# Altium PCB HallFM2_0.PcbDoc (part 1 of 2) (continued)
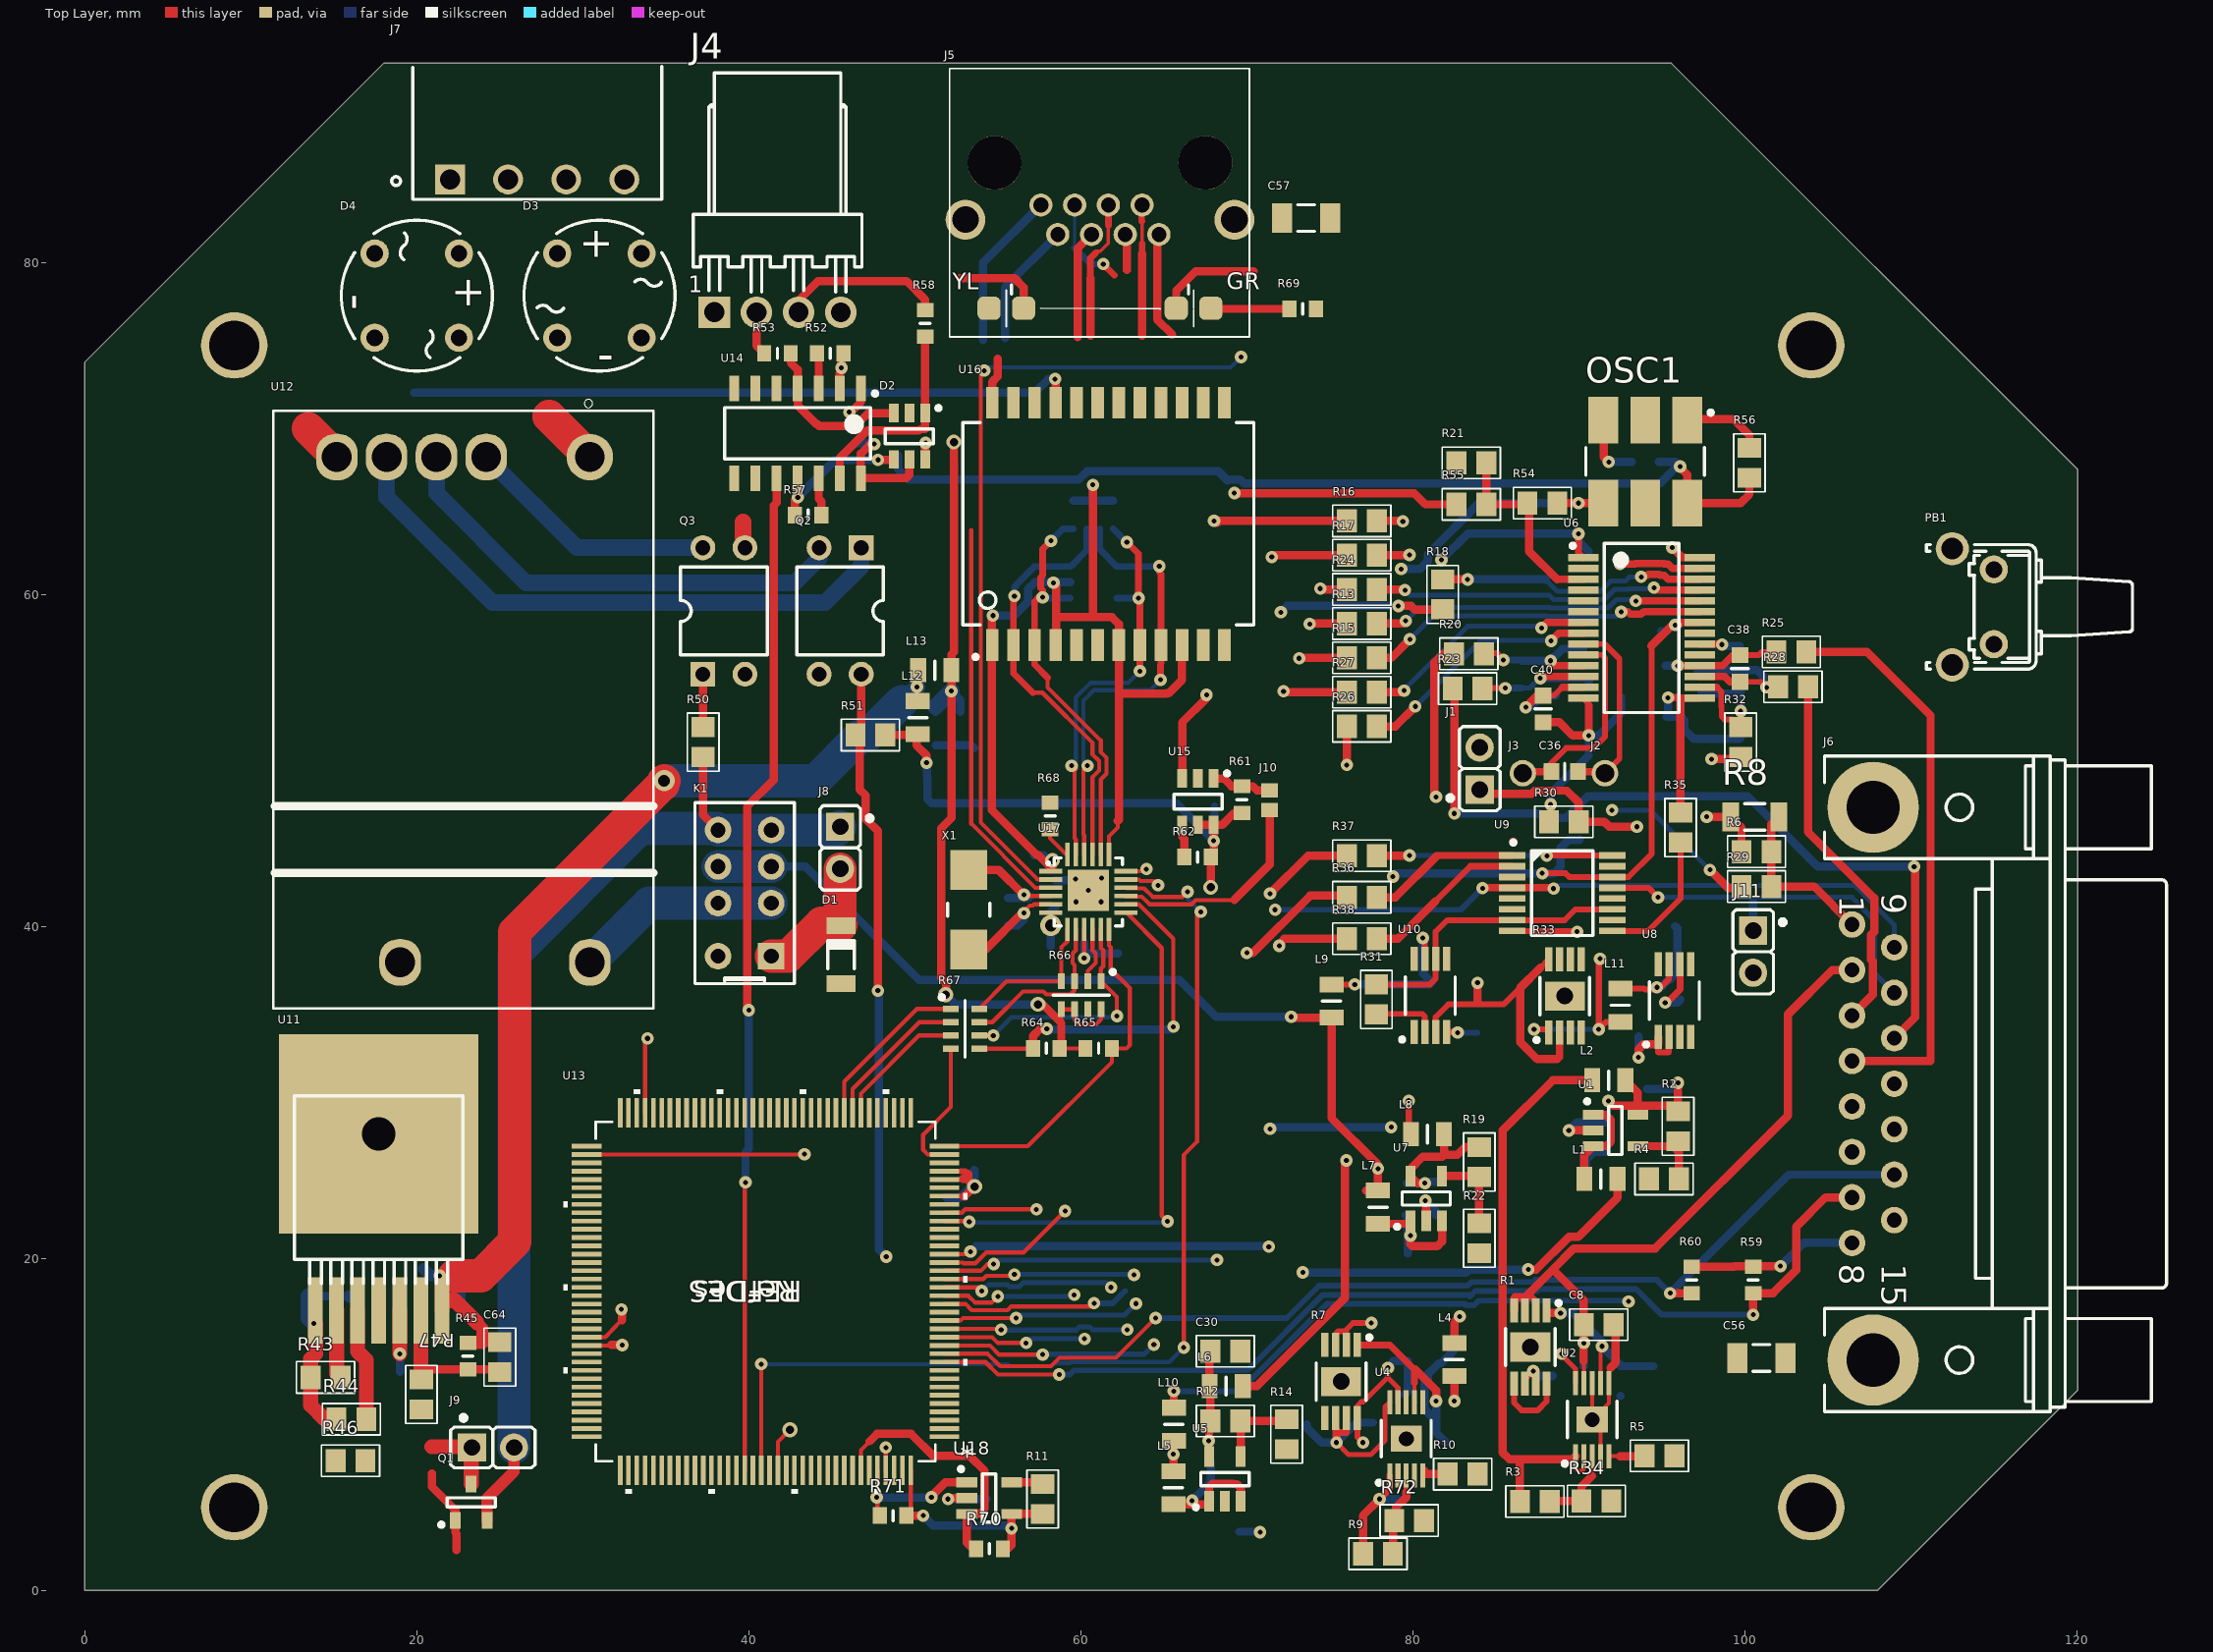
[diagram p0: Top Layer view]
## Components (designator, comment, footprint, x,y, rotation, side; value= is the part's Value field where it differs from the comment) (continued)
R34 "1k" SMD0805RES 92.057,5.382 r180 top
R35 "1k" SMD0805RES 96.132,44.953 r90 top
R36 "1k" SMD0805RES 75.923,41.748 r0 top
R37 "1k" SMD0805RES 75.923,44.248 r0 top
R38 "1k" SMD0805RES 75.923,39.248 r0 top
R43 "27k" SMD0805RES 13.498,12.823 r0 top
R44 "3k3" SMD0805RES 15.053,10.303 r0 top
R45 "4k7" RESC1608X64N 23.075,14.1 r270 top
R46 "1k5" SMD0805RES 17.007,7.807 r180 top
R47 "1k" SMD0805RES 20.273,12.802 r270 top
R50 "4k7" SMD0805RES 37.248,52.102 r270 top
R51 "20k" SMD0805RES 46.323,51.523 r0 top
R52 ".100" RESC1608X64N 44.9,74.525 r180 top
R53 ".100" RESC1608X64N 41.725,74.525 r180 top
R54 "0" SMD0805RES 88.802,65.502 r180 top
R55 "0" SMD0805RES 82.523,65.423 r0 top
R56 "1k" SMD0805RES 100.277,66.923 r90 top
R57 ".100" RESC1608X64N 43.575,64.775 r0 top
R58 ".100" RESC1608X64N 50.625,76.325 r90 top
R59 "1k5" RESC1608X64N 100.5,18.7 r270 top
R60 "1k5" RESC1608X64N 96.8,18.7 r270 top
R61 ".20k" RESC1608X64N 69.705,47.638 r90 top
R62 ".100k" RESC1608X64N 67.025,44.175 r180 top
R63 "49.9" CAY16x4 60.75,64.8 r90 bottom
R64 "10k" RESC1608X64N 57.925,32.65 r180 top
R65 "1k5" RESC1608X64N 61.075,32.65 r0 top
R66 "10k" CAY16x4 60.025,35.85 r270 top
R67 "33" CAY16x4 53.025,33.825 r0 top
R68 "12k1" RESC1608X64N 58.15,46.65 r270 top
R69 "10k" RESC1608X64N 73.375,77.2 r0 top
R70 "1k5" RESC1608X64N 54.5,2.5 r0 top
R71 "1k5" RESC1608X64N 48.7,4.5 r0 top
R72 "1k" SMD0805RES 80.782,4.207 r180 top
U1 "ADP7118-5.0-" SOT23-5 92.205,27.705 r0 top value=-5.0-
U2 "LT3042" SOP50P490X110-11N-R157X188 90.805,10.28 r90 top
U4 "LT3042" SOP50P490X110-11N-R157X188 79.605,9.13 r90 top
U5 "ADP7118-5.0-" SOT23-5 68.68,6.705 r90 top value=-5.0-
U6 "#NAME?" SOP65P780X200-28N 93.78,57.98 r0 top
U7 "ADP7118-3.3-" SOT23-5 80.805,23.605 r90 top value=-3.3-
U8 "LTC6655-2.5" SOP65P488X110-8N 95.755,35.53 r90 top value=-2.5
U9 "ADG1609" TSSOP-16 89,42 r0 top
U10 "ADA4522" SOP65P488X110-8N 81.055,35.83 r90 top
U11 "LMZ12003EXT" "NATIONAL_TO-PMOD-7 (TZA07A)" 17.705,22.209 r90 top
U12 "MYBSP0122BABFT+CB122BABFT" "MURATA_MYBSP0122BABFT_0 - DUPLICATE" 24,52 r270 top value=122BABFT
U13 "STM32F756ZGT6" LQFP-144_STM-M 41,18 r180 top
U14 "74HC14D" SOIC127P600X175-14N 42.94,69.7 r270 top
U15 "TPS38083V3" SOT95P270X145-6N 67.055,47.513 r270 top value=3V3
U16 "H5007NL" XFMR_PULSE_H5007NL 61.655,64.253 r90 top locked
U17 "LAN8742A-CZ" QFN24_0R5_4X4 60.45,42.175 r0 top
U18 "AT24C1616M5" SOT23-5 54.48,5.555 r0 top value=16M5
X1 "AA-25.000MHz" XTAL_AA 53.25,41 r270 top value=25.000MHz

## Footprints (in the part's own frame and the unit in brackets; to place one, negate y for a bottom-side part, rotate by r counter-clockwise, add the part's x,y. Pads: shape width x height; smd on the part's side, far side on the other; paste and mask are expansions set on the pad)
AMPHENOL_L717DFA15S1ATN [mm] "Right Angled D-Sub 15 Female Contacts with Metal Bracket and Front Female Screwlock (UNC4-40)"
  round 1.6 hole 0.9: 1(-9.59,-1.27) 2(-6.85,-1.27) 3(-4.11,-1.27) 4(-1.37,-1.27) 5(1.37,-1.27) 6(4.11,-1.27) 7(6.85,-1.27) 8(9.59,-1.27) 9(-8.22,1.27) 10(-5.48,1.27) 11(-2.74,1.27) 12(0,1.27) 13(2.74,1.27) 14(5.48,1.27) 15(8.22,1.27)
  round 5.5 hole 3.2: 16(-16.65,0) 17(16.65,0)
  silkscreen extent -19.75,-2.93 19.75,17.67, body extent -19.75,-2.93 19.75,17.67, height 13.45
CAPC1206 [mm]
  rect 1.2x1.8 smd: 1(-1.45,0) 2(1.45,0)
  silkscreen extent -0.5,-0.8 0.5,0.8, body extent -1.7,-0.9 1.7,0.9, height 0.7
CAPC1608X87N [mm]
  rect 0.95x1 smd: 1(-0.8,0) 2(0.8,0)
  silkscreen extent 0,-0.5 0,0.5, body extent -0.87,-0.47 0.88,0.48, height 0.87
CAY16x4 [mm] "Capacitor, Non-Polarized,Chip Array, 0.80mm Pitch; 8 Pin, 1.6mm W X 3.20mm L X 0.90mm H, IPC Medium Density"
  rect 0.95x0.4 smd: 1(-0.85,1.2) 2(-0.85,0.4) 3(-0.85,-0.4) 4(-0.85,-1.2) 5(0.85,-1.2) 6(0.85,-0.4) 7(0.85,0.4) 8(0.85,1.2)
  silkscreen extent -1.52,-1.7 0,2.02, body extent -0.87,-1.67 0.88,1.68, height 0.9
DIOMELF3515N [mm] "SOD80C, MELF Diode, 2-Leads, Body 3.5x1.5mm, IPC Medium Density"
  rect 1x1.75 smd: 1(-1.75,0) 2(1.75,0)
  silkscreen extent -0.85,-0.8 0.85,0.8, body extent -1.85,-0.8 1.85,0.8, height 1.6
DIP4-300 [mm] "DIP 4 Leads, Row Spacing 7.62 mm; Pitch 2.54 mm"
  rect 1.5x1.5 hole 0.9: 1(-3.81,1.27)
  round 1.5 hole 0.9: 2(-3.81,-1.27) 3(3.81,-1.27) 4(3.81,1.27)
  silkscreen extent -2.65,-2.61 2.65,2.61, body extent -3.93,-2.54 3.94,2.54, height 5.33
LQFP-144_STM-M [mil]
  rect 70x11 smd paste+0 mask+0: 1(-424,344.49) 2(-424,324.8) 3(-424,305.12) 4(-424,285.43) 5(-424,265.75) 6(-424,246.06) 7(-424,226.38) 8(-424,206.69) 9(-424,187.01) 10(-424,167.32) 11(-424,147.64) 12(-424,127.95) 13(-424,108.27) 14(-424,88.58) 15(-424,68.9) 16(-424,49.21) 17(-424,29.53) 18(-424,9.84) 19(-424,-9.84) 20(-424,-29.53) 21(-424,-49.21) 22(-424,-68.9) 23(-424,-88.58) 24(-424,-108.27) 25(-424,-127.95) 26(-424,-147.64) 27(-424,-167.32) 28(-424,-187.01) 29(-424,-206.69) 30(-424,-226.38) 31(-424,-246.06) 32(-424,-265.75) 33(-424,-285.43) 34(-424,-305.12) 35(-424,-324.8) 36(-424,-344.49) 73(424,-344.49) 74(424,-324.8) 75(424,-305.12) 76(424,-285.43) 77(424,-265.75) 78(424,-246.06) 79(424,-226.38) 80(424,-206.69) 81(424,-187.01) 82(424,-167.32) 83(424,-147.64) 84(424,-127.95) 85(424,-108.27) 86(424,-88.58) 87(424,-68.9) 88(424,-49.21) 89(424,-29.53) 90(424,-9.84) 91(424,9.84) 92(424,29.53) 93(424,49.21) 94(424,68.9) 95(424,88.58) 96(424,108.27) 97(424,127.95) 98(424,147.64) 99(424,167.32) 100(424,187.01) 101(424,206.69) 102(424,226.38) 103(424,246.06) 104(424,265.75) 105(424,285.43) 106(424,305.12) 107(424,324.8) 108(424,344.49)
  rect 11x70 smd paste+0 mask+0: 37(-344.49,-424) 38(-324.8,-424) 39(-305.12,-424) 40(-285.43,-424) 41(-265.75,-424) 42(-246.06,-424) 43(-226.38,-424) 44(-206.69,-424) 45(-187.01,-424) 46(-167.32,-424) 47(-147.64,-424) 48(-127.95,-424) 49(-108.27,-424) 50(-88.58,-424) 51(-68.9,-424) 52(-49.21,-424) 53(-29.53,-424) 54(-9.84,-424) 55(9.84,-424) 56(29.53,-424) 57(49.21,-424) 58(68.9,-424) 59(88.58,-424) 60(108.27,-424) 61(127.95,-424) 62(147.64,-424) 63(167.32,-424) 64(187.01,-424) 65(206.69,-424) 66(226.38,-424) 67(246.06,-424) 68(265.75,-424) 69(285.43,-424) 70(305.12,-424) 71(324.8,-424) 72(344.49,-424) 109(344.49,424) 110(324.8,424) 111(305.12,424) 112(285.43,424) 113(265.75,424) 114(246.06,424) 115(226.38,424) 116(206.69,424) 117(187.01,424) 118(167.32,424) 119(147.64,424) 120(127.95,424) 121(108.27,424) 122(88.58,424) 123(68.9,424) 124(49.21,424) 125(29.53,424) 126(9.84,424) 127(-9.84,424) 128(-29.53,424) 129(-49.21,424) 130(-68.9,424) 131(-88.58,424) 132(-108.27,424) 133(-127.95,424) 134(-147.64,424) 135(-167.32,424) 136(-187.01,424) 137(-206.69,424) 138(-226.38,424) 139(-246.06,424) 140(-265.75,424) 141(-285.43,424) 142(-305.12,424) 143(-324.8,424) 144(-344.49,424)
  silkscreen extent -479,-479 479,479, body extent -437,-437 437,437, height 63
Molex-43860-0010 [mm] "1 Port, 8 Positions, CAT5 RJ45 Modular Connector With Yellow And Green LEDs"
  round 3.25 hole 3.25 unplated: 0(-2.54,9.906) 0(-2.54,-2.794)
  round 1.4 hole 0.9: 1(0,0) 2(1.778,1.016) 3(0,2.032) 4(1.778,3.048) 5(0,4.064) 6(1.778,5.08) 7(0,6.096) 8(1.778,7.112)
  rrect50% 1.4x1.4 smd: 9(6.223,-3.124) 10(6.223,-1.041) 11(6.223,10.236) 12(6.223,8.153)
  round 2.4 hole 1.6: 13(0.889,-4.547) 14(0.889,11.659)
  silkscreen extent -8.22,-5.5 7.94,12.56, body extent -8.22,-5.5 7.94,12.56, height 2.75
MOLEX_WF4-angle [mm] "2.54mm (.100\") Pitch KK® Wire-To-Board Header, Right Angle, With Friction Lock, 2 Circuits"
  rect 1.9x1.9 hole 1.2: 1(0,0)
  round 1.9 hole 1.2: 2(2.54,-0.005) 3(5.08,0) 4(7.62,-0.005)
  silkscreen extent -1.27,1.21 8.89,14.42, body extent -1.27,-0.32 8.89,14.42, height 5.84
"MURATA_MYBSP0122BABFT_0 - DUPLICATE" [mm]
  round 2.8 / inner rrect91% 2.8x2.2 / far side rrect91% 2.8x2.2 hole 1.8: 1(-16.27,6.42)
  rrect91% 2.8x2.5 hole 1.8: 2(-16.27,0.18) 3(-16.27,-2.82) 4(-16.27,-5.82) 5(-16.27,-8.82) 6(14.17,-5.01) 7(14.17,6.42)
  silkscreen extent -19.75,-12.65 16.95,10.25, body extent -18.77,-12.34 16.73,10.06, height 11.15
"NATIONAL_TO-PMOD-7 (TZA07A)" [mm] "TO-PMOD 7 Pin Package, NATIONAL Package TZA07A, 1.70mm pitch; 9.85mm L X 10.16mm W X 4.67mm H body"
  rect 4x0.89 smd: 1(-5.339,3.81) 2(-5.339,2.54) 3(-5.339,1.27) 4(-5.339,0) 5(-5.339,-1.27) 6(-5.339,-2.54) 7(-5.339,-3.81)
  rect 12x12 hole 2 unplated: 8(5.291,0)
  silkscreen extent -3.73,-5.08 7.57,5.08, body extent -6.2,-5.08 7.57,5.08, height 4.77
OSC_PERICOM_FRETHE025 [mm] "SMD Oscillator, side convave, 6 pins, 5.00x7.00mm"
  rect 2.8x1.8 smd: 1(-2.5,2.54) 2(-2.5,0) 3(-2.5,-2.54) 4(2.5,-2.54) 5(2.5,0) 6(2.5,2.54)
  silkscreen extent -3.07,-3.58 0.83,4.07, body extent -2.57,-3.57 2.58,3.58, height 1.55
PB_ALPS_SKHHLQA010 [mm] "Body 6x6mm, Stem height 8.35mm, Horizontal Pushbutton Switch, ALPS Serie SKHH"
  round 1.7 hole 1: 1(-1.25,-2.25) 2(-1.25,2.25)
  round 2 hole 1.3: 3(1.25,-3.5) 4(1.25,3.5)
  silkscreen extent -9.6,-3.75 2.8,3.75, body extent -9.6,-4.25 2.8,4.25, height 7.4
PCBJumper [mm]
  rect 0.85x1 smd: 1(-0.6,0) 2(0.6,0)
PLS1 [mm]
  round 1.6 hole 1.1: 1(0,0)
PLS2 [mm] "2 Contacts Straight Strip Header Pitch 2.54mm L=6.7mm ''Mini-Wire-Wrap''"
  rect 1.7x1.7 hole 1: 1(0,0)
  round 1.7 hole 1: 2(2.54,0)
  silkscreen extent -1.27,-1.23 3.81,1.93, body extent -1.22,-1.25 3.86,1.25, height 9.5
QFN24_0R5_4X4 [mm] "SQFN 24 Pins, Pitch 0.5mm, 4mmx4mm"
  rect 1.4x0.28 smd: 1(-2.255,1.15) 2(-2.255,0.65) 3(-2.255,0.15) 4(-2.255,-0.35) 5(-2.255,-0.85) 6(-2.255,-1.35) 13(2.255,-1.35) 14(2.255,-0.85) 15(2.255,-0.35) 16(2.255,0.15) 17(2.255,0.65) 18(2.255,1.15)
  rect 0.28x1.4 smd: 7(-1.25,-2.355) 8(-0.75,-2.355) 9(-0.25,-2.355) 10(0.25,-2.355) 11(0.75,-2.355) 12(1.25,-2.355) 19(1.25,2.155) 20(0.75,2.155) 21(0.25,2.155) 22(-0.25,2.155) 23(-0.75,2.155) 24(-1.25,2.155)
  rect 2.5x2.5 smd: 25(0,0)
  silkscreen extent -2.46,-2.15 2.05,1.95, body extent -2.05,-2.15 2.05,1.95, height 1
RECTRON_RB15 [mm] "Bridge Rectifier, Body 9.1mm diam. x 3.8mm H, RECTRON Case Type RB15"
  round 1.7 hole 1: 1(-2.54,2.54) 2(-2.54,-2.54) 3(2.54,-2.54) 4(2.54,2.54)
  silkscreen extent -4.55,-4.55 4.55,4.55, body extent -4.55,-4.55 4.55,4.55, height 11.7
REL_OMRON_G6J-2P-Y [mm] "THT Relay, Body 10.9mm x 6mm, OMRON_G6J-2P"
  rect 1.6x1.6 hole 0.9: 1(-3.8,-1.6)
  round 1.6 hole 0.9: 2(-0.6,-1.6) 3(1.6,-1.6) 4(3.8,-1.6) 5(3.8,1.6) 6(1.6,1.6) 7(-0.6,1.6) 8(-3.8,1.6)
  silkscreen extent -5.45,-3 5.45,3, body extent -5.45,-3 5.45,3, height 9.3
RESC1608X64N [mm]
  rect 0.85x1 smd: 1(-0.8,0) 2(0.8,0)
  silkscreen extent 0,-0.3 0,0.3, body extent -0.87,-0.47 0.88,0.48, height 0.64
RESC2012X50N [mm]
  rect 0.95x1.45 smd: 1(-1,0) 2(1,0)
  silkscreen extent 0,-0.55 0,0.55, body extent -1.1,-0.67 1.1,0.68, height 0.5
RESC3016X65N [mm] "Chip Resistor, EIA 1206, Metric 3016, Body 3.05x1.55mm, IPC Medium Density"
  rect 1x1.75 smd: 1(-1.45,0) 2(1.45,0)
  silkscreen extent -0.6,-0.8 0.6,0.8, body extent -1.6,-0.85 1.6,0.85, height 0.65
SMD0805CAP [mm]
  rect 1.2x1.4 smd: 1(0.102,0.002) 2(1.902,0.002)
  silkscreen extent -0.75,-0.95 2.75,0.95, body extent -0.02,-0.67 2.08,0.68, height 0.9
SMD0805RES [mm]
  rect 1.2x1.4 smd: 1(0.102,0.002) 2(1.902,0.002)
  silkscreen extent -0.75,-0.95 2.75,0.95, body extent 0,-0.63 2,0.63, height 0.51
SOIC127P600X175-14N [mm] "SOIC 14, Pitch 1.27mm - Body 4x8.75mm, IPC Medium Density"
  rect 1.55x0.6 smd: 1(-2.7,3.81) 2(-2.7,2.54) 3(-2.7,1.27) 4(-2.7,0) 5(-2.7,-1.27) 6(-2.7,-2.54) 7(-2.7,-3.81) 8(2.7,-3.81) 9(2.7,-2.54) 10(2.7,-1.27) 11(2.7,0) 12(2.7,1.27) 13(2.7,2.54) 14(2.7,3.81)
  silkscreen extent -2.52,-4.4 1.55,4.79, body extent -3.1,-4.37 3.1,4.38, height 1.75
SOP50P490X110-11N-R157X188 [mm] "SOP, 0.50mm, pitch; 10 pin, 3.00mm W X 3.00mm L X 1.10mm H body (w/thermal tab  1.57 X 1.88 mm), IPC Medium Density"
  rect 1.45x0.3 smd: 1(-2.2,1) 2(-2.2,0.5) 3(-2.2,0) 4(-2.2,-0.5) 5(-2.2,-1) 6(2.2,-1) 7(2.2,-0.5) 8(2.2,0) 9(2.2,0.5) 10(2.2,1)
  rect 1.57x1.88 hole 0.9 unplated: 11(0,0)
  silkscreen extent -2.77,-1.5 1.1,1.77, body extent -2.45,-1.55 2.45,1.55, height 1.1
SOP65P488X110-8N [mm] "SOP, 8-Leads, Body 3x3mm (max), Pitch 0.65mm, IPC Medium Density"
  rect 1.45x0.45 smd: 1(-2.2,0.975) 2(-2.2,0.325) 3(-2.2,-0.325) 4(-2.2,-0.975) 5(2.2,-0.975) 6(2.2,-0.325) 7(2.2,0.325) 8(2.2,0.975)
  silkscreen extent -2.77,-1.5 1.12,1.82, body extent -2.45,-1.55 2.45,1.55, height 1.1
SOP65P488X110-9N-R178X241 [mm] "SOP, 8-Leads, Body 3x3mm (max), Pitch 0.65mm, (w/thermal tab 2 .41 X 1.78 mm), IPC Medium Density"
  rect 1.45x0.45 smd: 1(-2.2,0.975) 2(-2.2,0.325) 3(-2.2,-0.325) 4(-2.2,-0.975) 5(2.2,-0.975) 6(2.2,-0.325) 7(2.2,0.325) 8(2.2,0.975)
  rect 1.75x2.4 hole 1 unplated: 9(0,0)
  silkscreen extent -2.77,-1.5 1.12,1.83, body extent -2.45,-1.55 2.45,1.55, height 1.1
SOP65P780X200-28N [mm] "SOP, 0.65mm Pitch; 28 Pin, 5.30mm W X 10.20mm L X 2.00mm H Body, IPC Medium Density"
  rect 1.85x0.45 smd: 1(-3.5,4.225) 2(-3.5,3.575) 3(-3.5,2.925) 4(-3.5,2.275) 5(-3.5,1.625) 6(-3.5,0.975) 7(-3.5,0.325) 8(-3.5,-0.325) 9(-3.5,-0.975) 10(-3.5,-1.625) 11(-3.5,-2.275) 12(-3.5,-2.925) 13(-3.5,-3.575) 14(-3.5,-4.225) 15(3.5,-4.225) 16(3.5,-3.575) 17(3.5,-2.925) 18(3.5,-2.275) 19(3.5,-1.625) 20(3.5,-0.975) 21(3.5,-0.325) 22(3.5,0.325) 23(3.5,0.975) 24(3.5,1.625) 25(3.5,2.275) 26(3.5,2.925) 27(3.5,3.575) 28(3.5,4.225)
  silkscreen extent -4.27,-5.1 2.25,5.1, body extent -4.11,-5.25 4.11,5.25, height 2
SOT23-5 [mm] "SOT, 0.95mm Pitch; 5 Pin,1.55mm W X 2.90mm L X 1.45mm H body, IPC Medium Density"
  rect 1.25x0.6 smd: 1(-1.35,0.95) 2(-1.35,0) 3(-1.35,-0.95) 4(1.35,-0.95) 5(1.35,0.95)
  silkscreen extent -1.82,-1.45 0.4,1.87, body extent -1.35,-1.45 1.35,1.45, height 1.45
SOT95P229X119-3N [mm] "SOT23 3-Leads, 0.95mm pitch; 3 pin, 1.296mm W X 2.858mm L X 1.194mm H body, IPC Medium Density"
  rect 1x0.65 smd: 1(-1.1,0.95) 2(-1.1,-0.95) 3(1.1,0)
  silkscreen extent -1.47,-1.45 0.28,1.92, body extent -1.25,-1.5 1.25,1.5, height 1.19
SOT95P270X145-6N [mm] "SOT, 0.95mm Pitch; 6 Pin,1.55mm W X 2.90mm L X 1.45mm H body, IPC Medium Density"
  rect 1.1x0.6 smd: 1(-1.4,0.95) 2(-1.4,0) 3(-1.4,-0.95) 4(1.4,-0.95) 5(1.4,0) 6(1.4,0.95)
  silkscreen extent -1.82,-1.45 0.45,1.88, body extent -1.35,-1.45 1.35,1.45, height 1.45
TE_284512-4 [mm]
  rect 1.8x1.8 / inner round 1.8 / far side rect 1.8x1.8 hole 1.2: 1(-5.25,0)
  round 1.8 hole 1.2: 2(-1.75,0) 3(1.75,0) 4(5.25,0)
  silkscreen extent -8.76,-1.2 7.5,6.8, body extent -8,-1.2 8,8, height 7.25
TSSOP-16 [mm]
  rect 1.6x0.4 smd: 1(-3.025,2.275) 2(-3.025,1.625) 3(-3.025,0.975) 4(-3.025,0.325) 5(-3.025,-0.325) 6(-3.025,-0.975) 7(-3.025,-1.625) 8(-3.025,-2.275) 9(3.025,-2.275) 10(3.025,-1.625) 11(3.025,-0.975) 12(3.025,-0.325) 13(3.025,0.325) 14(3.025,0.975) 15(3.025,1.625) 16(3.025,2.275)
  Top Layer circle w0.25: c-2.95,3.1 r0.125
  silkscreen extent -3.07,-2.55 1.85,3.17, body extent -3.12,-2.55 3.12,2.55, height 1.2
XFMR_PULSE_H5007NL [mm] "10/100BASE-T Magnetics Modules, Body 12.2 x 17.53mm"
  rect 1.905x0.76 smd: 1(-7.302,6.985) 2(-7.302,5.715) 3(-7.302,4.445) 4(-7.302,3.175) 5(-7.302,1.905) 6(-7.302,0.635) 7(-7.302,-0.635) 8(-7.302,-1.905) 9(-7.302,-3.175) 10(-7.302,-4.445) 11(-7.302,-5.715) 12(-7.302,-6.985) 13(7.302,-6.985) 14(7.302,-5.715) 15(7.302,-4.445) 16(7.302,-3.175) 17(7.302,-1.905) 18(7.302,-0.635) 19(7.302,0.635) 20(7.302,1.905) 21(7.302,3.175) 22(7.302,4.445) 23(7.302,5.715) 24(7.302,6.985)
  silkscreen extent -8.15,-8.76 6.1,8.76, body extent -8,-8.76 8,8.77, height 5.72
XTAL_AA [mm] "Resonator 5x3.mm 2pin"
  rect 2.4x2.2 smd: 1(-2.4,0) 2(2.4,0)
  silkscreen extent -0.4,-1.27 0.4,1.27, body extent -2.5,-1.6 2.5,1.6, height 1.3

## Part data
C1 C2 C3 C4 C5 C6 C7 C8 C9 C10 C11 C12 C13 C14 C15 C20 C21 C22 C23 C27 C28 C29 C30 C32 C33 C34 C35 C39 C41 C42 C43 C44 C46 C54 C62 C64 C65 C79 C86: library part C0805, "Чип конденсатор 0805", DielectricType=X5R, Tolerance=20%, Voltage=25V, Device=Cap0805, Pkg=SMD0805, Price=2, SMD Solders=2, Solder Option=RM, Vendor=Vishay
  C54: Name to order=ECHU1C332JX5
C24: library part C0805, "Чип конденсатор 0603", DielectricType=X5R, Tolerance=20%, Voltage=50V, Device=Cap603, Pkg=SMD0603, Price=2, SMD Solders=2, Solder Option=RM, Vendor=Vishay
C25 C26 C31 C36 C37 C38 C40 C47 C48 C49 C50 C51 C52 C55 C58 C59 C60 C61 C66 C67 C68 C69 C71 C72 C73 C74 C76 C77 C78 C80 C82 C83 C84 C85 C89 C90 C91 C92 C93 C94 C95 C96 C97 C98 C99 C100 C101 C102 C103 C104 C105: library part C0603, "Чип конденсатор 0603", DielectricType=X5R, Tolerance=20%, Voltage=50V, Device=Cap603, Pkg=SMD0603, Price=2, SMD Solders=2, Solder Option=RM, Vendor=Vishay
C45: library part C1206, "Чип конденсатор 1206", DielectricType=X5R, Tolerance=1%, Voltage=16V, Device=Cap1206, Name to order=ECHU1C333JX5, Pkg=SMD1206, Price=2, SMD Solders=2, Solder Option=RM, Vendor=Vishay
C56 C57: library part C1206, "Чип конденсатор 1206", DielectricType=X5R, Tolerance=1%, Voltage=1000V, Device=Cap1206, Pkg=SMD1206, Price=2, SMD Solders=2, Solder Option=RM, Vendor=Vishay
C81 C87 C88: library part C0603, "Чип конденсатор 0603", DielectricType=NPO, Tolerance=20%, Voltage=50V, Device=Cap603, Pkg=SMD0603, Price=2, SMD Solders=2, Solder Option=RM, Vendor=Vishay
D1: "Fast diode", Current=150, Voltage=100, Device=DL4448, Name to order=SF18, Pkg="MiniMelf (DL35)", Price=10, SMD Solders=2, Solder Option=RM, Vendor="Shenzhen Luguang Electronic Technology"
D2 D5: library part IP4220, "Optotransistor", Current=0, Voltage=6V, Device=IP4220CZ6, Name to order=IP4220CZ6, Pkg=SOT23-6, Price=10, SMD Solders=6, Solder Option=RM, THD Solders=0, Vendor=NXP
D3 D4: "Diode Bridge Rectifier", Voltage=200V, Device=W02G, Name to order=W02G, Pkg=W02G, Price=20, SMD Solders=0, Solder Option=RM, THD Solders=4, Vendor=multicomp
J2 J3: library part PLS1, "Штырь PLS1", Device=PLS1, Price=1, SMD Solders=0, Solder Option=RM, THD Solders=1, Vendor=Confly
J4: library part WF4R, "Вилка  WF4", Device=WF-4R, Name to order=WF-4R, Price=20, SMD Solders=0, Solder Option=RM, THD Solders=4, Vendor=Confly
J5: "1 Port, 8 Positions, CAT5 RJ45 Modular Connector With Yellow And Green fibers for LEDs", Device=Molex_438600010, Name to order=438600010, Pkg=Molex_438600010, Price=320, SMD Solders=4, Solder Option=RM, THD Solders=10, Vendor=Molex
J6: library part D_SUB_15F, "Вилка  DSUB 9 угловая", Device=DBR-15F, Name to order="DRB- 15MA (DBR-15F) (DS1037-15F)", Price=50, SMD Solders=0, Solder Option=RM, THD Solders=17, Vendor=Connfly
J7: "Вилка  WF4", Device=15EDGRC-3.5-04P-14, Name to order=15EDGRC-3.5-04P-14, Price=50, SMD Solders=0, Solder Option=RM, THD Solders=4, Vendor=Degson
J8: library part PLS2, "PLS2", Device=PLS2, Price=1, SMD Solders=0, Solder Option=RM, THD Solders=2, Vendor=Confly
J10: "PLS2", Device=JmpPCB, Price=1, SMD Solders=1, Solder Option=i, THD Solders=0, Vendor=-
K1: library part "G6J-2P-Y 12VDC", "Электромагнитное реле", Current=9mA, Voltage=110V, Device=G6J-2P-Y, Name to order="G6J-2P-Y 12VDC", Pkg=11x6mm, Price=200, SMD Solders=0, Solder Option=RM, THD Solders=8, Vendor=Omron
L1 L2 L4 L5 L6 L7 L8 L9 L10 L11 L12 L13 L14: library part BLM21, "SMD Ferrite bead 0805", Device=BLM21, Pkg=SMD0805, Price=10, SMD Solders=2, Solder Option=RM, Vendor=Vishay
OSC1: library part XLH730, "Генератор кварцевый", Current=0, Device=XLH730, Name to order=XLH730004.915200I, Pkg=7x5mm, Price=400, SMD Solders=2, Solder Option=RM, THD Solders=0, Vendor=Renesas
PB1: library part PBAngle, "Push Button Angle NO", Device=PushButt, Name to order=2-1825027-0, Pkg=7x7mm, Price=1, SMD Solders=0, Solder Option=RM, THD Solders=4, Vendor="TE Conn"
Q1: "PMOS", Voltage=-30V, Device=AO3407A, Name to order=AO3407A, Pkg=SOT23, Price=10, SMD Solders=3, Solder Option=RM, THD Solders=0, Vendor=UMW
Q2 Q3: "Optotransistor", Current=0, Voltage=35V, Device=817B, Name to order=817B, Pkg=DIP4, Price=10, SMD Solders=0, Solder Option=RM, THD Solders=4, Vendor=UMW
R1 R7: library part LT5400, "4 прецизионных резистора", Tolerance=0..025%, Device=LT5400, Name to order=LT5400BMPMS8E-6#PBF, Pkg="MSOP 9-0.65", Price=2, Pwr=40C/W, SMD Solders=0, Solder Option=i, TC=200ppb/C, THD Solders=0, Vendor="Analog Devices"
R2 R3 R4 R5 R9 R10 R11 R12 R13 R14 R15 R16 R17 R18 R19 R20 R21 R22 R23 R24 R25 R26 R27 R28 R29 R30 R31 R32 R34 R35 R36 R37 R38 R43 R44 R46 R47 R50 R51 R54 R55 R56 R72: library part R0805, "Чип резистор 0805", Tolerance=1%, Device=Res0805, Pkg=SMD0805, Price=2, Pwr=125mW, SMD Solders=2, TC=100ppm/C, Vendor=Vishay
  R2 R3 R4 R5 R9 R10 R11 R12 R13 R15 R16 R17 R18 R19 R20 R23 R24 R25 R26 R27 R28 R29 R30 R31 R32 R34 R35 R36 R37 R38 R43 R44 R46 R47 R50 R51 R54 R72: Solder Option=RM
  R14 R21 R22 R55 R56: Solder Option=DNP
R6: library part Y1172, "Прецизионный чип резистор 0805", Tolerance=1%, Device=Y1172, Name to order=Y1172200R0000xxx, Pkg=SMD0805, Price=2, Pwr=125mW, SMD Solders=2, Solder Option=RM, TC=2ppm/C, Vendor=Vishay
R8: library part Y1496, "Прецизионный чип резистор 1206", Tolerance=1%, Device=Y1496, Name to order=Y1172200R0000xxx, Pkg=SMD1206, Price=2, Pwr=125mW, SMD Solders=2, Solder Option=DNP, TC=2ppm/C, Vendor=Vishay
R33: library part LT5400_7, "4 прецизионных резистора", Tolerance=0..025%, Device=LT5400, Name to order=LT5400BMPMS8E-7#PBF, Pkg="MSOP 9-0.65", Price=2, Pwr=40C/W, SMD Solders=0, Solder Option=i, TC=200ppb/C, THD Solders=0, Vendor="Analog Devices"
R45 R52 R53 R57 R58 R59 R60 R61 R62 R64 R65 R68 R69 R70 R71: library part R0603, "Чип резистор 0603", Tolerance=1%, Device=Res603, Pkg=SMD0603, Price=2, Pwr=60mW, SMD Solders=2, Solder Option=RM, TC=100ppm/C, Vendor=Vishay
R63 R66 R67: library part CAY16, "Сборка из 4х чип резисторов", Tolerance=5%, Device=CAY16, Pkg=so8-80, Price=2, Pwr=60mW, SMD Solders=8, Solder Option=RM, TC=200ppm/C, THD Solders=0, Vendor=Bourns
  R63: Name to order="CAY16-510j4  or CAY16-510F4"
  R66: Name to order=CAY16-10k0j4
  R67: Name to order=CAY16-330j4
U1 U5 U7: library part ADP7118, "Positive LDO Linear stabilizer", Device=ADP7118, Pkg=SOT23-5, Price=100, SMD Solders=5, Solder Option=RM, Vendor="Analog Devoces"
  U1 U5: Name to order=ADP7118AUJZ-5.0-R7
  U7: Name to order=ADP7118AUJZ-3.3-R7
U2 U4: "Current source v 100uA ref", Current=200ma, Tolerance=1%, Voltage="max 20V", Device=LT3042, Name to order=LT3042EMSE, Pkg="MSOP10 PowPad", Price=1200, SMD Solders=11, Solder Option=DiY, TC=10ppm/C, THD Solders=0, Vendor="Analog Devices Inc"
U6: library part ADS1234, "АЦП", Current=3, Voltage="2V7 to 5V3", Device=ADS1234, Name to order=ADS1234IPWR, Pkg=SOIC8_EP, Price=1500, SMD Solders=28, Solder Option=RM, TC=10-300nV/C, THD Solders=0, Vendor="Texas  Instruments"
U8: library part LTC6655B-5, "Low noise precision reference,", Voltage=max13.2V, Device=LTC6655, Name to order=LTC6655LNBHMS8-2.5, Pkg=MSOP65-8, Price=6000, SMD Solders=8, Solder Option=RM, TC=2ppm/C, Vendor="Analog Devices Inc"
U9: "Мультиплексор аналоговый дифференциальный 4 канала", Current=0, Device=ADG1609, Name to order=ADG1608BRUZ, Pkg=TSSOP65-16, Price=700, SMD Solders=16, Solder Option=RM, THD Solders=0, Vendor="Analog Devoces"
U10: "Op amp", Current=1, Voltage="+-5 to +-27.5V", Device=ADA4522, Pkg=MASOP8-65, Price=600, SMD Solders=8, Solder Option=RM, TC=1uV/C, Vendor="Analog Devices Inc"
U11: library part LMZ12003, "DC-DC Power Module", thVoltage=-, Device=LMZ12003, Name to order=LMZ12003EXT, Pkg="NDW 7", PkgCode=EXT, Price=11000, SMD Solders=8, Solder Option=EXT, THD Solders=0, Vendor="Texas Instruments"
U12: library part MYBSP0122BABFT, "POE isolated DC-DC 24W", Voltage=+12V, Device=MYBSP0122BABFT+CB, Name to order=MYBSP0, Pkg=35x23mm, Price=1000, SMD Solders=7, Solder Option=RM, THD Solders=0, Vendor=Murata
U13: "High-performance and DSP with FPU, Arm Cortex-M7 MCU with 1 Mbyte of Flash memory, 216 MHz CPU, Art Accelerator, L1 cache, HW crypto, SDRAM, TFT", Manufacturer_Name=STMicroelectronics, Copyright="Copyright (C) 2025 Ultra Librarian. All rights reserved.", Datasheet=https://www.st.com/resource/en/datasheet/stm32f756bg.pdf, Manufacturer_Part_Number=STM32F756ZGT6, Pkg=LQFP144, Price=4000, RefDes=RefDes, SMD Solders=144, THD Solders=0, Type=Type
U14: "6 триггеров Шмита с инверсией.", Voltage="2.. 6V", Device=74HC14D, Name to order=74HC14D, Pkg=SOIC14, Price=50, SMD Solders=14, Solder Option=RM, Vendor=NXP
U15: library part TPS3808, "Supervisory Circuit. Low-Quiescent-Current, Programmable-Delay", Current=6uA, thVoltage=3070mV, Device=TPS3808, Name to order=TPS3808G33DBV, Pkg=SOT23-6, Price=200, SMD Solders=6, Solder Option=RM, THD Solders=0, Vendor="Texas Instruments"
U16: "Ethernet transformer IEEE 802.3", Current=0, Device=H5007NL, Name to order=H5007NL, Pkg=SO24-1.27, Price=400, SMD Solders=24, Solder Option=RM, THD Solders=0, Vendor=Yageo
U17: library part LAN8742, "Supervisory Circuit. Low-Quiescent-Current, Programmable-Delay", Current=6uA, Device=LAN8742A-CZ, Name to order=LAN8742A-CZ, Pkg=VQFN25-0.50, Price=700, SMD Solders=25, Solder Option=i, THD Solders=0, Vendor=MicroChip
U18: library part AT24C, "Isolateted DC DC 5V->5V or 3V3 60mA", Current=2uA/2mA, Device=AT24C16, Name to order=AT24C16M5/TR, Pkg=SOT23-5, Price=20, SMD Solders=5, Solder Option=RM, THD Solders=0, Vendor=HGSemi
X1: library part AA-25, "Резонатор кварцевый", Current=0, Device=AA-, Name to order=AA-25.000MALE-T, Pkg=5x3,2, Price=300, SMD Solders=2, Solder Option=RM, THD Solders=0, Vendor=TXS
J1 J9 J11: Device=PLS2, Price=1, SMD Solders=0, Solder Option=RM, THD Solders=2, Vendor=Confly

## Free pads (board coordinates)
  round 4 hole 3: 0(9,5) 0(9,75) 0(104,5) 0(104,75)

## Via types
v1: diameter 0.75, hole 0.3, Top Layer to Bottom Layer, 199 vias
v2: diameter 0.9, hole 0.5, Top Layer to Bottom Layer, 7 vias
v3: diameter 1.27, hole 0.711, Top Layer to Bottom Layer, 2 vias

## Nets (pads, with @x,y where several pads share a name; then routed paths per layer and width w, separated by ;. In a path a pad name is that pad's centre, name@x,y a point inside that pad or via, vN(x,y) a via of type N, cw(c..) or ccw(c..) an arc to the next point about the centre after c; other vN are vias at no path point)
1+: C37.2 C47.2 R20.2 U6.11 | length 8.5
  Top Layer w0.35: R20.2@84.275,56.425 84.3,56.45 85.075,56.45 v1@85.462,56.063
  Top Layer w0.45: v1@88.3,55.705 U6.11@90.28,55.705
  Bottom Layer w0.3: C37.2@86.555,55.955 C37.2@86.6,56
  Bottom Layer w0.4: v1(85.45,56.05) 86.46,56.05 C37.2@86.555,55.955
  Bottom Layer w0.5: C37.2@86.6,56 v1(88.3,56) 89.025,56.725 C47.2@90.275,56.725
1-: C37.1 C48.2 R23.2 U6.12 | length 9.2
  Top Layer w0.35: R23.2@84.2,54.325 84.225,54.35 v1(85.575,54.35)
  Top Layer w0.45: v1@87.8,55.055 U6.12@90.28,55.055
  Bottom Layer w0.3: C37.1@86.555,54.355 87.055,54.355 87.653,54.953 v1(87.679,54.953) v1@87.947,54.953
  Bottom Layer w0.4: v1(85.575,54.35) 85.58,54.355 C37.1@86.555,54.355
  Bottom Layer w0.5: v1@87.947,54.953 90.432,54.953 C48.2@90.605,54.78
2+: C38.2 C49.2 R25.2 U6.18 | length 7
  Top Layer w0.35: C38.2@99.28,56.33 C38.2@99.705,56.33 100.83,56.33 101.03,56.53 R25.2@101.905,56.53
  Top Layer w0.45: v1(95.954,55.703) 96.047,55.703 96.05,55.7 96.055,55.705 U6.18@97.28,55.705 98.655,55.705 C38.2@99.28,56.33
  Bottom Layer w0.5: C49.2@95.225,55.7 95.951,55.7 v1(95.954,55.703)
2-: C38.1 C50.2 R28.2 U6.17 | length 9.1
  Top Layer w0.35: C38.1@99.705,54.73 100.97,54.73 v1(101.3,54.4)
  Top Layer w0.45: U6.17@97.28,55.055 98.77,55.055 99.095,54.73 C38.1@99.705,54.73
  Bottom Layer w0.5: C50.2@97.155,55.43 100.741,55.43 101.105,55.066 101.105,54.595 v1(101.3,54.4)
2V5ref: C31.2 L11.2 R33.1 U6.20 | length 35.5
  Top Layer w0.35: v1(87.3,33.8) 87.985,33.8 R33.1@88.18,33.605 ; v1(91.2,33.8) 91.65,34.25 L11.2@92.5,34.25
  Top Layer w0.4: v1(91.2,33.8) 91.2,37.975 v1(91.275,38.05) ; v1(98.629,56.978) 98.629,56.989 v1@98.645,57.005
  Top Layer w0.45: U6.20@97.28,57.005 v1@98.645,57.005
  Signal Layer 2 w0.5: v1(91.275,38.05) 91.275,39.417 94.433,42.575 94.842,42.575 98.825,46.558 98.825,56.782 v1(98.629,56.978)
  Bottom Layer w0.3: v1(87.3,33.8) v1(91.2,33.8)
  Bottom Layer w0.5: v1(98.629,56.978) 98.707,56.9 C31.2@99.7,56.9
3+: C40.2 C51.2 R29.2 U6.13 | length 24.2
  Top Layer w0.35: C40.2@87.85,53.9 88.5,53.9 89.005,54.405
  Top Layer w0.45: 89.005,54.405 U6.13@90.28,54.405
  Top Layer w0.5: v1(86.8,53.2) 87.5,53.9 C40.2@87.85,53.9 ; v1(97.9,43.4) 99,42.3 99.7,42.3 R29.2@99.8,42.4
  Signal Layer 2 w0.25: v1(86.8,53.2) 86.8,52.2 v1(92,47)
  Bottom Layer w0.3: v1(92,47) 94.3,47 v1(97.9,43.4)
  Bottom Layer w0.5: v1(86.8,53.2) 87.1,53.2 87.8,53.9 C51.2@88.6,53.9
3-: C40.1 C52.2 R30.2 U6.14 | length 15.2
  Top Layer w0.35: U6.14@90.28,53.755 90.25,53.755 90.6,53.405 90.6,53.3
  Top Layer w0.5: C40.1@87.85,52.3 88.825,52.3 89.625,51.5 v1(90.6,51.5) 90.6,53.3 ; R30.2@88.2,46.3 88.3,46.4 v1(88.3,47.35)
  Bottom Layer w0.5: v1(88.3,47.35) 88.3,48 90.6,50.3 v1(90.6,51.5) 91.2,51.5 92.53,52.83 C52.2@92.53,53.805
"3V3 Ethernet": C74.2 C76.2 L13.2 L14.2 R64.1 R65.1 R66.5 R66.6 R66.8 | length 54
  Top Layer w0.25: R64.1@58.725,32.65 R65.1@60.275,32.65 ; 58.825,34.175 R66.5@58.825,35 R66.6@59.625,35 59.625,34.35 59.875,34.1 60.925,34.1 61.225,34.4 R66.8@61.225,35
  Top Layer w0.5: v2(51.852,35.877) 51.852,35.698 51.875,35.675 51.875,36.625 51.6,36.9 51.6,45.925 52.2,46.525 v1(52.2,54.175) L13.2@52.2,55.425 52.2,56.375 52.35,56.525 v2(52.35,69.175) ; v2(57.425,35.3) 57.7,35.3 58.825,34.175 58.825,32.75 R64.1@58.725,32.65
  Bottom Layer w0.5: L14.2@51.25,52.925 L14.2@51.25,53.225 ; v2(51.852,35.877) 52.429,35.3 v2(57.425,35.3) ; v1(52.2,54.175) 52.75,53.625 C76.2@52.75,52.925 ; v2(52.35,69.175) 52.4,69.125 52.4,68.975 52.37,68.945 C74.2@52.37,68.005
  Bottom Layer w1: L14.2@51.25,53.225 v1(52.2,54.175)
3V3D_ADC: C26.1 L8.2 U6.1 | length 47.5
  Top Layer w0.4: v1(79.75,29.5) 79.75,27.61 L8.2@79.88,27.48 ; v1(89.979,63.653) 89.979,62.506 U6.1@90.28,62.205
  Signal Layer 2 w0.5: v1(79.75,29.5) 79.75,29.45 79.775,29.425 79.775,29.975 79.8,30 79.775,30.025 79.775,39.975 80.625,40.825 80.625,44.617 80.575,44.667 80.575,51.725 80.975,52.125 80.975,60.175 81.729,60.929 v1(81.729,62.078)
  Bottom Layer w0.5: v1(81.729,62.078) 83.304,63.653 v1(89.979,63.653) 89.979,63.206 C26.1@90.58,62.605
3V3uC: C67.2 C68.2 C69.2 C72.2 C73.2 C89.2 C90.2 C91.2 C92.2 C93.2 C94.2 C95.2 C96.2 C97.2 C98.2 C99.2 C100.2 C101.2 C102.2 C103.2 C104.2 C105.1 D2.5 J6.8 L12.2 OSC1.6 R11.2 R51.2 R56.1 R59.1 R60.1 R61.1 R62.1 R70.2 R71.2 U13.6 U13.17 U13.30 U13.32 U13.33 U13.39 U13.52 U13.62 U13.71 U13.72 U13.84 U13.95 U13.106 U13.108 U13.121 U13.131 U13.144 U14.14 U15.5 U15.6 U18.4 | length 169.7
  Top Layer w0.25: R71.2@49.5,4.5 49.75,4.75 U13.144@49.75,7.23 ; U13.17@51.77,17.25 53.05,17.25 53.424,16.876 55.586,16.876 55.81,17.1 56.39,17.1 60.6,17.1 v1(60.8,17.3) ; U13.30@51.77,23.75 52.775,23.75 52.795,23.73 52.955,23.73 ; U13.32@51.77,24.75 52.875,24.75 ; U13.33@51.77,25.25 52.775,25.25
  Top Layer w0.35: 52.775,25.235 53.015,25.235 53.125,25.125
  Top Layer w0.5: v1(47.552,69.053) 47.548,69.05 47.3,69.05 47.275,69.025 47.275,69 46.75,68.475 U14.14@46.75,67 49.475,67 49.675,67.2 D2.5@49.675,68.125 ; R51.2@48.225,51.525 L12.2@50.125,51.525 ; R71.2@49.5,4.5 v1(50.5,4.5) ; L12.2@50.175,51.575 L12.2@50.125,51.525 ; v1(50.702,49.852) 50.702,50.298 50.1,50.9 50.1,51.5 L12.2@50.125,51.525 ; 52.905,24.78 53.145,24.78 53.225,24.7 ; 52.955,23.73 53.005,23.73 v2(53.6,24.325) 53.225,24.7 ; 53.125,25.125 53.175,25.075 53.225,25.075 53.225,24.7 ; R70.2@55.3,2.5 55.6,2.5 55.83,2.73 v1(55.83,3.73) U18.4@55.83,4.605 57.695,4.605 R11.2@57.7,4.6 ; U15.5@67.055,46.113 U15.6@68.005,46.113 ; v2(67.825,42.35) R62.1@67.825,44.175 68.005,44.355 v1(68.005,45.15) U15.6@68.005,46.113 ; R61.1@69.705,46.838 69.238,46.838 68.513,46.113 U15.6@68.005,46.113 ; v1(96.1,67.7) 96.1,67.65 96.54,67.21 OSC1.6@96.54,65.5 99.75,65.5 100.275,66.025 R56.1@100.275,67.025 ; R60.1@96.8,19.5 99.35,19.5 99.375,19.525 v1(102.15,19.525)
  Signal Layer 2 w0.5: v2(53.6,24.325) 57.425,24.325 67.825,34.725 67.825,40.308 68.05,40.533 68.05,41.217 67.825,41.442 v2(67.825,42.35)
  Bottom Layer w0.35: v1@55.8,3.7 v1(55.83,3.73) ; v1(60.8,17.3) 61.936,17.3 62.661,18.025
  Bottom Layer w0.5: C67.2@46.495,69.105 47.5,69.105 v1(47.552,69.053) ; C68.2@48.995,68.355 48.995,67.53 49.6,66.925 59.883,66.925 60.383,67.425 68.275,67.425 68.842,66.858 68.908,66.925 69.592,66.925 69.842,66.675 94.875,66.675 95.9,67.7 v1(96.1,67.7) 95.825,67.975 C69.2@94.8,67.975 ; v1(50.5,4.5) 51.1,3.9 C105.1@54.3,3.9 55.6,3.9 v1@55.8,3.7 ; v1(50.702,49.852) 50.723,49.852 50.725,49.85 50.725,49.05 C72.2@50.775,49 50.775,47.65 51,47.425 65.73,47.425 68,45.155 68,45.2 68.055,45.255 C73.2@68.055,47.213 ; C104.2@51.9,23.625 52.675,23.625 53.375,24.325 v2(53.6,24.325) 53.6,25.3 C102.2@53.575,25.325 ; v1(102.15,19.525) 103.555,20.93 J6.8@106.46,20.93
4+: C45.2 R32.2 U6.16 | length 8.2
  Top Layer w0.35: 98.317,54.405 98.317,54.355 98.36,54.355 98.58,54.135 98.58,53.22 98.6,53.2 98.6,52.65 98.775,52.475 99.275,52.475 R32.2@99.75,52
  Top Layer w0.45: U6.16@97.28,54.405 98.317,54.405
  Bottom Layer w0.5: 97.38,54.105 97.46,54.025 99.5,54.025 C45.2@99.755,54.28 99.755,52.977 v1(99.75,52.972)
4-: C45.1 C54.2 R35.2 U6.15 | length 15.2
  Top Layer w0.45: v1(95.375,53.775) 96.025,53.775 96.045,53.755 U6.15@97.28,53.755
  Top Layer w0.5: R35.2@96.13,46.855 96.13,53.56
  Bottom Layer w0.5: v1(95.375,53.775) 95.375,52.7 C54.2@95.3,52.625 96.15,52.625 96.35,52.425 96.35,51.875 96.925,51.3 99.675,51.3 C45.1@99.755,51.38
5VA_ADC: C25.1 C55.2 L6.2 U6.22 U9.14 | length 72.1
  Top Layer w0.35: v1(87.8,43.2) 89.2,43.2 89.425,42.975 U9.14@92.025,42.975 93,42.975 94.375,44.35 94.375,56.9
  Top Layer w0.45: v1(95.804,58.153) 96.027,58.153 96.179,58.305 U6.22@97.28,58.305
  Top Layer w0.5: L6.2@69.755,12.302 70.602,12.302 75.9,17.6 75.9,25.8 v1(76,25.9) ; 94.375,56.9 95.628,58.153 v1(95.804,58.153)
  Signal Layer 2 w0.5: v1(76,25.9) 77.325,27.225 77.325,41.525 v1(78.8,43)
  Bottom Layer w0.5: v1(78.8,43) 79,43.2 v1(87.8,43.2) 88.525,43.2 88.9,43.575 88.9,44.725 89.375,45.2 90.025,45.2 C55.2@90.05,45.225 ; C25.1@94.975,57.775 95.275,57.775 v1@95.805,58.305
+12V_MW: J8.1 J9.2 K1.4 K1.5 Q1.2 R50.2 | length 62.5
  Top Layer w0.5: R50.2@37.25,50.2 37.25,46.7 K1.5@38.15,45.8
  Top Layer w0.7: Q1.2@24.225,4.2 24.225,5.525 25.855,7.155 J9.2@25.855,8.605
  Bottom Layer w2: J9.2@25.855,8.605 25.855,38.305 33.45,45.9 38.05,45.9 K1.5@38.15,45.8 K1.4@41.35,45.8 45.3,45.8 J8.1@45.5,46
+12V_POE: K1.2 K1.7 U12.7 | length 12.4
  Bottom Layer w2: U12.7@30.42,37.83 33.99,41.4 K1.7@38.15,41.4 K1.2@41.35,41.4
GND: C1.2 C2.2 C3.1 C4.1 C5.1 C6.1 C7.1 C8.1 C9.1 C10.1 C11.1 C12.1 C13.2 C14.2 C15.1 C20.1 C21.1 C22.1 C23.1 C24.1 C25.2 C26.2 C27.1 C28.1 C29.1 C30.1 C31.1 C32.1 C33.1 C34.1 C35.1 C39.1 C41.1 C42.1 C43.1 C44.1 C46.1 C47.1 C48.1 C49.1 C50.1 C51.1 C52.1 C54.1 C55.1 C56.1 C57.1 C58.1 C59.1 C60.1 C61.1 C62.1 C65.1 C66.1 C67.1 C68.1 C69.1 C71.2 C72.1 C73.1 C74.1 C76.1 C77.1 C78.1 C79.1 C80.1 C81.1 C82.1 C83.1 C84.1 C85.1 C86.1 C87.2 C88.2 C89.1 C90.1 C91.1 C92.1 C93.1 C94.1 C95.1 C96.1 C97.1 C98.1 C99.1 C100.1 C101.1 C102.1 C103.1 C104.1 C105.2 D1.2 D2.2 D5.2 J1.2 J4.1 J6.15 J7.3 J7.4 J11.2 K1.8 OSC1.3 PB1.2 Q2.3 Q3.2 R1.9 R4.1 R5.1 R7.9 R10.1 R14.1 R21.2 R22.1 R33.7 R33.9 R34.1 R46.2 R47.2 R66.7 R68.1 R69.2 R72.1 U1.2 U2.4 U2.6 U2.8 U2.11 U4.4 U4.6 U4.8 U4.11 U5.2 U6.2 U6.5 U6.6 U6.19 U6.21 U7.2 U8.3 U8.4 U8.5 U8.8 U9.3 U9.5 U9.6 U9.10 U9.12 U9.15 U10.4 U11.8 U12.6 U13.16 U13.31 U13.38 U13.51 U13.61 U13.83 U13.94 U13.107 U13.120 U13.130 U14.5 U14.7 U14.9 U15.2 U17.25 U18.2 | length 28.1
  Top Layer w0.25: U2.8@90.805,12.48 U2.11@90.805,10.28 ; U2.4@91.305,8.08 91.305,9.78 U2.11@90.805,10.28 ; 91.9,13.4 91.805,13.305 U2.6@91.805,12.48 91.805,11.28 U2.11@90.805,10.28 ; 92.225,13.725 92.225,13.825
  Top Layer w0.4: U10.4@82.03,33.63 82.67,33.63 v1(82.7,33.6)
  Top Layer w0.5: v1(52,5.5) 52.055,5.555 U18.2@53.13,5.555 ; U7.2@80.755,22.305 U7.2@80.805,22.255 80.805,23.425 v1(80.755,23.475) ; v1(89.4,27.7) 89.405,27.705 U1.2@90.855,27.705 ; OSC1.3@91.46,70.5 91.5,70.46 91.5,68.275 v1(91.8,67.975) ; 91.9,13.4 92.225,13.725 ; C8.1@91.9,16 92.225,15.675 92.225,13.825
  Bottom Layer w0.35: v1(82.7,33.6) C46.1@83.9,33.6
  Bottom Layer w0.5: v1(52,5.5) C105.2@54.3,5.5 ; C81.1@58.475,42.775 59.6,42.775 v1(59.675,42.85) ; v1(80.755,23.475) 81.38,22.85 C33.1@81.38,22.605 ; v1(89.4,27.7) 89.9,28.2 C4.1@91.7,28.2 ; v1(91.8,67.975) C69.1@93.2,67.975
  other v1: 59.7,41.475 61.225,41.475 60.45,42.175 61.25,42.9
Hal_current_2mA: C3.2 C8.2 J6.2 R1.2 R1.3 R1.4 U2.9 | length 43.1
  Top Layer w0.25: 90.3,13.8 90.3,12.485 U2.9@90.305,12.48
  Top Layer w0.35: R1.2@87.405,16.855 R1.2@87.405,17.395
  Top Layer w0.4: 86.95,17.85 R1.2@87.405,17.395
  Top Layer w0.5: R1.4@86.105,16.855 86.105,17.595 86.165,17.655 86.755,17.655 86.95,17.85 88.4,19.3 ; 90.3,13.8 v1(90.3,14.9) C8.2@90.3,16 90.3,17.475 88.475,19.3 88.4,19.3 ; J6.2@106.46,37.37 105.27,37.37 102.6,34.7 102.6,28.6 94.6,20.6 89.7,20.6 88.4,19.3
  Bottom Layer w0.5: C3.2@90.3,13.5 v1(90.3,14.9)
iT+: C15.2 C20.2 J6.9 R7.2 R7.3 R7.8 U4.9 U9.4 | length 94.6
  Top Layer w0.3: R7.8@76.655,10.38 76.655,11.125 76.885,11.355 77.025,11.355 78.5,12.83 ; v1(78.5,13.4) 78.5,12.83 ; U4.9@79.105,11.33 79.105,12.202 79.102,12.202 78.5,12.805 78.5,12.83
  Top Layer w0.35: R7.3@75.355,14.78 75.355,15.455 75.5,15.6 75.9,15.6 ; R7.2@76.005,14.78 76.005,15.495 75.9,15.6 ; R7.8@76.655,10.38 76.655,9.245 v1(77,8.9) ; 77.1,16.1 76.4,16.1 75.9,15.6 ; v1(84.2,42.3) v1@84.225,42.325 ; v1(88.475,42.275) v1@88.475,42.325
  Top Layer w0.45: v1@84.225,42.325 U9.4@85.975,42.325 v1@88.475,42.325
  Signal Layer 2 w0.35: v1(71.4,27.8) 71.203,27.997 71.203,40.503 v1(71.7,41)
  Signal Layer 2 w0.5: v1(77,8.9) 77.5,9.4 v1(77.5,16.1) 77.5,18.9 78.725,20.125 78.725,25.742 78.7,25.767 v1(78.7,27.9)
  Bottom Layer w0.3: v1(88.475,42.275) 88.675,42.475 106.609,42.475 109,40.084 J6.9@109,38.74
  Bottom Layer w0.35: v1(71.7,41) 82.9,41 v1(84.2,42.3)
  Bottom Layer w0.5: v1(71.4,27.8) 71.5,27.9 v1(78.7,27.9) ; 78.8,13.8 C15.2@79.7,13.8 79.7,12 C20.2@79.5,11.8
iT-: J6.10 J11.1 U9.13 | length 23.9
  Top Layer w0.35: U9.13@92.025,42.325 94.2,42.325 v1(94.775,41.75)
  Signal Layer 2 w0.25: J6.10@108.725,35.725 J6.10@109,36
  Bottom Layer w0.3: v1(94.775,41.75) 100.5,41.75 106.446,41.75 107.825,40.371 107.825,37.175 J6.10@109,36
  Bottom Layer w0.35: 100.5,41.5 100.5,41.75
  Bottom Layer w0.5: J11.1@100.5,39.74 100.5,41.5
MX1_N: J5.2 U16.22 | length 7.6
  Bottom Layer w0.5: 55.427,75.45 55.427,78.499 J5.2@58.61,81.682
MX1_P: J5.1 U16.23 | length 9.6
  Bottom Layer w0.5: 54.1,75.325 54.1,79.966 J5.1@57.594,83.46
MX3_N: D3.4 J5.6 U16.16 | length 2.2
  Top Layer w0.4: J5.6@62.674,81.682 J5.6@62.775,81.581
  Top Layer w0.5: 62.775,79.536 J5.6@62.775,81.581
MX3_P: J5.3 U16.17 | length 5.7
  Top Layer w0.4: v1(61.353,79.904) 61.346,79.904 62.025,79.225
  Bottom Layer w0.2: 59.626,80.874 J5.3@59.626,83.46
  Bottom Layer w0.4: 59.626,80.874 60.596,79.904 v1(61.353,79.904)
NetC1_1: C1.1 C2.1 R1.6 R1.7 U2.10 | length 7.1
  Top Layer w0.3: v1(88.975,14.25) 89.2,14.025 89.2,13.95 89.805,13.345 U2.10@89.805,12.48
  Top Layer w0.35: R1.6@86.755,12.455 86.755,12.702 v1(87.254,13.201) v1@87.378,13.325
  Signal Layer 2 w0.5: v1(87.254,13.201) 88.337,13.201 88.975,13.839 v1(88.975,14.25)
  Bottom Layer w0.5: v1(87.254,13.201) v1@87.399,13.201 ; v1@87.4,13.2 87.4,12.905 88.405,12.905 C1.1@88.43,12.93
NetC4_2: C4.2 C5.2 L1.2 U1.1 U1.3 | length 8.5
  Top Layer w0.5: L1.2@90.33,24.78 90.33,26.23 U1.3@90.855,26.755 91.655,26.755 91.93,27.03 91.93,28.335 91.64,28.625 90.885,28.625 U1.1@90.855,28.655
  Bottom Layer w0.5: C5.2@90.43,24.755 90.43,25.93 90.9,26.4 C4.2@91.7,26.4